# KiCad board AWS PROJECT.kicad_pcb (continued)
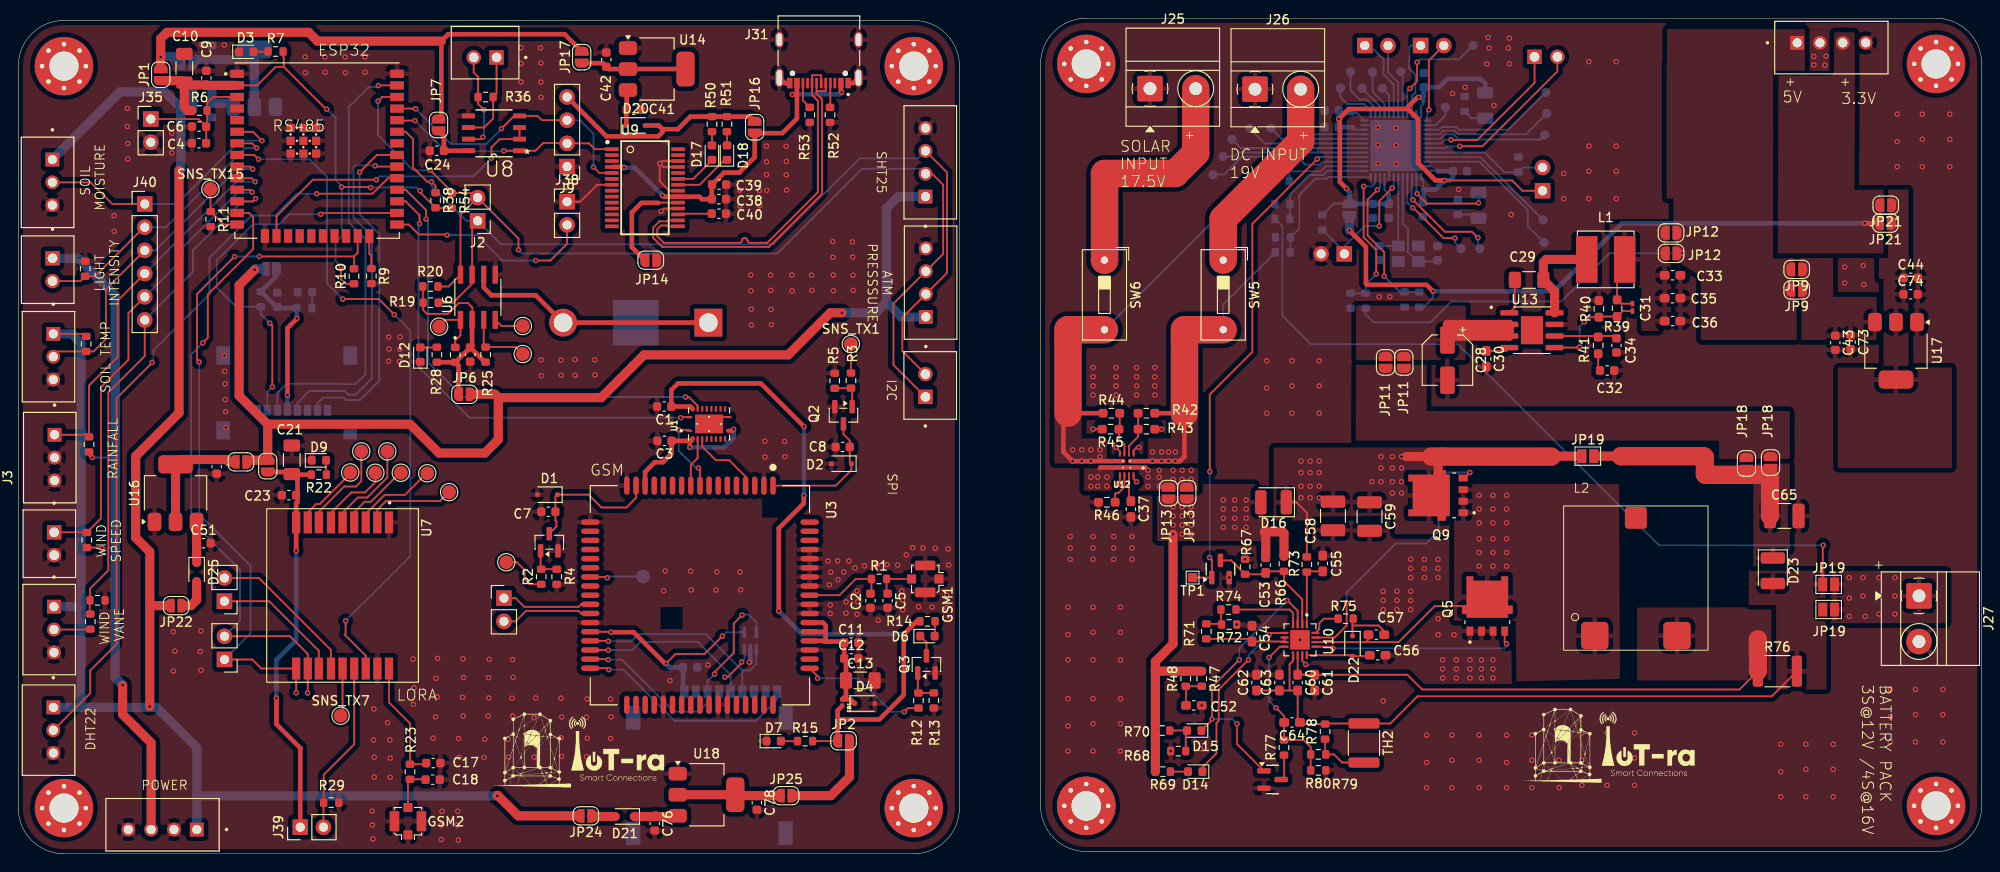
[diagram p0: board, top side]
## Routing (per net, layer and track width the routed paths; a pad name or vN(x,y) marks a point on that pad's centre or on a via; arc(x,y) is an arc through that point) (continued)
  Top w0.5: v1(30.48,58.62) 30.48,58.58 29.46,57.56 v1(29.46,50.23)
  Bottom w0.5: J19.4 29.45,50.22 v1(29.46,50.23) ; JP8.1 28.28,63.28 R34.2 28.21,59.88 C25.1 28.5,59.75 R30.2 30.48,59.75 v1(30.48,58.62)
/gate way/SIM CLK: length 23.8
  Top w0.2: v1(79.16,21.01) 79.16,20.88 77.62,19.34 v1(77.33,19.34) ; v1(64.56,22.3) 64.55,22.31 U3.32
  Bottom w0.2: D5.3 79.47,21.32 v1(79.16,21.01) ; 77.97,19.32 77.94,19.34 v1(77.33,19.34) ; 77.97,19.32 J10.C3 ; 77.97,19.32 77.97,19.58 74.35,23.2 68.07,23.2 67.17,22.3 v1(64.56,22.3)
/gate way/SIM DATA: length 24.4
  Top w0.2: v1(64.58,23.26) 64.53,23.31 U3.31
  Bottom w0.2: 79.23,20.05 79.25,20.07 80.08,20.07 80.77,20.76 D5.1 ; 79.23,20.05 75.24,24.05 67.9,24.05 67.11,23.26 v1(64.58,23.26) ; 79.23,20.05 J10.C7
/gate way/SIM DET: length 24.7
  Top w0.2: v1(64.63,20.16) 64.48,20.31 U3.34
  Bottom w0.2: v1(64.63,20.16) 66.21,20.16 71.81,14.56 80.72,14.56 83.05,16.88 J10.CD
/gate way/SIM RST: length 29.8
  Top w0.2: v1(76.2,19.68) 76.2,19.89 78.3,21.99 78.3,25.22 v1(79.21,26.13) ; U3.33 64.5,21.31 v1(64.56,21.25)
  Bottom w0.2: v1(76.2,19.68) 75.42,18.91 J10.C2 75.42,16.55 74.42,15.55 71.76,15.55 66.06,21.25 v1(64.56,21.25) ; D5.5 80.77,25.35 79.91,26.21 79.29,26.21 v1(79.21,26.13)
/gate way/SIM VDD: length 24.5
  Top w0.2: v1(70.88,20.83) 71.93,21.88 75.11,21.88 v1(77.06,23.83) ; v1(64.86,24.26) 64.81,24.31 U3.30
  Top w0.5: v1(70.88,20.83) 70.78,20.83 67.35,24.26 v1(64.86,24.26)
  Bottom w0.2: D5.4 77.48,24.25 v1(77.06,23.83)
  Bottom w0.5: v1(70.88,20.83) 71.3,20.41 C14.1 72.76,17.88 J10.C1
/gate way/strap2: length 3.7
  Top w0.2: U2.24 38.42,65.72 38.64,65.5 R9.1
/gate way/strap12: length 6
  Top w0.2: SNS_TX15.1 21.03,70.34 R11.1 22.48,68.9 U2.14
/gate way/tx: length 31.1
  Top w0.2: J9.3 57.29,80.33 56.83,80.79 U8.4 54.27,80.79 v1(52.88,79.41) ; v1(62.95,75.19) 63.58,74.55 U9.5 ; v1(43.49,81.58) 43.14,81.58 43.12,81.6 U2.35
  Bottom w0.2: v1(43.49,81.58) 47.36,77.71 51.18,77.71 v1(52.88,79.41) ; J9.3 61.48,80.33 62.95,78.86 v1(62.95,75.19)
/gate way/USBD+: length 38.9
  Top w0.2: J31.A6 87.87,85.21 87.82,85.26 86.92,85.26 86.87,85.21 J31.B6 86.87,83.08 87.28,82.67 87.28,82.66 87.5,82.44 87.5,72.44 81.97,66.91 80.04,66.91 arc(79.87,66.98) 79.8,67.14 79.8,67.19 arc(79.73,67.36) 79.56,67.43 79.44,67.43 arc(79.27,67.36) 79.2,67.19 79.2,67.14 arc(79.13,66.98) 78.96,66.91 70.65,66.91 69.94,67.62 69.94,68.39 70.35,68.8 70.98,68.8 71.08,68.7 U9.15
/gate way/USBD-: length 39.8
  Top w0.2: 88.41,84.43 J31.B7 88.37,83.57 88.32,83.52 87.42,83.52 87.37,83.57 ; U9.16 71.08,69.35 70.98,69.25 70.17,69.25 69.48,68.57 69.48,67.44 70.47,66.45 82.15,66.45 87.95,72.26 87.95,82.65 87.79,82.81 87.79,82.81 87.37,83.23 87.37,83.57 ; 87.37,83.57 J31.A7
/gate way/VH400: length 30.6
  Top w0.2: U2.6 25.69,79.06 v1(26.67,78.08) ; J20.2 7.92,73.52 10.29,71.15 J40.1 13.84,71.86
  Bottom w0.2: v1(26.67,78.08) 24.27,78.08 17.34,71.15 J40.1
/gate way/VSPI-CLK: length 39.2
  Top w0.2: v1(39.05,75.34) 39.14,75.25 U2.30
  Bottom w0.2: J19.5 30.55,49.36 31.86,50.67 35.73,50.67 36.12,50.28 36.93,50.28 38.7,52.05 38.7,67.65 36.69,69.66 36.69,75.12 36.95,75.38 39.01,75.38 v1(39.05,75.34)
/gate way/VSPI-MISO: length 37.4
  Top w0.2: U2.31 39.24,76.52 v1(37.35,74.63)
  Bottom w0.2: J19.7 32.75,49.36 33.33,49.94 35.61,49.94 35.87,49.68 37.4,49.68 39.51,51.79 39.51,67.87 37.35,70.03 v1(37.35,74.63)
/gate way/VSPI-MOSI: length 48.7
  Top w0.2: v1(39.41,84.12) 39.43,84.14 U2.37
  Bottom w0.2: v1(39.41,84.12) 39.25,83.96 38.34,83.96 36.16,81.78 36.16,69.12 37.99,67.29 37.99,52.51 36.91,51.43 35.42,51.43 35.39,51.46 29.33,51.46 28.36,50.48 28.36,48.56
/power board/BATT_INPUT: length 11.9
  Bottom w0.2: U15.13 143.28,74.78 142.82,74.32 141.3,74.32 139.17,72.19 R65.1 139.17,71.14 R64.2
/power board/BATT_VAL: length 153.9
  Top w0.2: R76.2 191.9,17.24 153.13,17.24 150.15,14.27 TH2.1 143.08,14.27 R78.2 140.44,14.2 C64.1 140.02,14.63 C60.2 139.13,17.88 ; C62.1 C63.1 139.13,17.88 ; v1(197.54,33.78) 197.48,33.73 JP19#3.1 ; U10.9 139.52,21.13 139.13,20.74 139.13,17.88
  Bottom w0.2: R64.1 138.35,68.7 138.35,58.91 141.46,55.8 157.54,55.8 179.56,33.78 v1(197.54,33.78)
/power board/BATTERY BMS:
  vias: v1(200.38,30.24) v1(200.38,27.99) v1(200.38,25.99) v1(201.88,30.24) v1(201.88,28.24) v1(202.13,25.99) v1(203.63,30.24) v1(203.63,28.24) v1(203.63,26.24) v1(205.38,30.24) v1(205.38,28.24) v1(205.38,26.24)
/power board/BOOT0_MCU: length 13.7
  Bottom w0.2: U15.44 160.51,76.78 162.65,74.64 R33.2 164.66,75.14 J7.2
/power board/BOOT1_MCU: length 10.7
  Bottom w0.2: U15.20 138.24,78.28 PB9.1
/power board/btst: length 3.5
  Top w0.2: R75.2 142.88,25.74 142.38,25.24 142.38,24.6 U10.16
/power board/CE: length 58.2
  Top w0.2: v1(130.4,41.84) 130.4,50.29 135.06,54.95 135.06,68.97 v1(142.17,76.08) ; TP1.1 Q4.1 130.62,32.19 v1(130.38,32.43)
  Bottom w0.2: v1(130.38,32.43) 130.4,32.45 v1(130.4,41.84) ; v1(142.17,76.08) 142.37,76.28 U15.16
/power board/cin: length 12.2
  Bottom w0.2: C45.2 155.18,64.85 Y1.1 153.13,64.85 152.1,65.88 152.1,68.44 151.52,69.02 U15.5
/power board/cout: length 9.7
  Bottom w0.2: C46.2 148.96,66.55 Y1.3 151.03,70.81 151.03,70.81 151.03,72.45 151.02,72.46 U15.6
/power board/DC JACK INPUT: length 38.3
  Top w0.5: R42.1 127.63,48.24 127.63,43.49 127.13,42.99 v1(126.63,42.99) v1(125.88,42.99) v1(125.13,42.99) v1(124.13,42.99) U12.2_1
  Top w3: SW5.2 127.63,57.39 127.63,48.24
  Bottom w0.2: SW5.2 131.87,60.16 R59.1
  vias: v1(124.13,43.99) v1(125.13,43.99) v1(125.88,43.99) v1(126.63,43.99)
/power board/DC_INPUT: length 15.3
  Bottom w0.2: R59.2 139.21,67.48 R60.1 140.21,68.47 140.21,72.16 141.97,73.92 143.22,73.92 143.4,74.1 U15.12
/power board/FB: length 11.5
  Top w0.2: C31.2 175.57,59.42 R39.2 173.06,58.83 R40.1 171.89,58.75 v1(171.38,58.24) ; v1(170.88,55.49) 170.63,55.49 170.56,55.42 U13.5
  Bottom w0.2: v1(170.88,55.49) 170.88,57.74 v1(171.38,58.24)
/power board/hidriv: length 31
  Top w0.2: U10.15 144.06,23.67 145.38,24.99 v1(145.38,27.49) ; v1(158.86,41.76) 158.25,41.14 Q9.4
  Bottom w0.2: v1(158.86,41.76) 155.99,41.76 155.44,41.2 155.44,35.31 154.11,33.98 150.75,33.98 145.38,28.62 v1(145.38,27.49)
/power board/lodriv: length 22.8
  Top w0.2: v1(162.88,22.99) 162.68,23.19 Q5.4 ; U10.13 143.69,22.67 v1(143.88,22.49)
  Bottom w0.2: v1(143.88,22.49) 162.63,22.49 162.88,22.74 v1(162.88,22.99)
/power board/MCU_SCL: length 17.4
  Top w0.2: v1(156.81,78.18) 156.85,78.14 159.67,78.14 165.94,84.42 J4.1
  Bottom w0.2: U15.42 155.7,77.78 156.1,78.18 v1(156.81,78.18)
/power board/MCU_SDA: length 19.3
  Top w0.2: J4.2 168.44,85.68 160.24,77.47 v1(157.76,77.47)
  Bottom w0.2: U15.43 156.24,77.28 156.43,77.47 v1(157.76,77.47)
/power board/mpptset: length 14.4
  Top w0.2: Q4.3 132.75,32.12 R67.2 135.99,30.6 136.14,30.75 C53.2 136.69,30.92 R66.1 138.52,29.85 140.52,27.85 U10.2
/power board/MUXOUT: length 42.1
  Top w0.2: C53.1 136.52,34.6 136.38,34.74 ; 135.73,38.74 D16.2
  Top w1: C53.1 136.52,35.1 136.38,35.24 138.38,35.24 138.52,35.1 138.52,32.57 ; v1(126.38,34.99) 126.38,22.99 124.44,21.05 124.44,19.99 ; 124.44,19.99 R48.2 R47.2 ; 124.44,19.99 R69.2
  vias: v1(126.38,37.99) v1(126.38,36.99) v1(126.38,35.99) v1(127.38,37.99) v1(127.38,36.99) v1(127.38,35.99) v1(127.38,34.99) v1(128.38,37.99) v1(128.38,36.99) v1(128.38,35.99) v1(128.38,34.99) v1(131.88,38.74) v1(131.88,37.74) v1(131.88,36.74) v1(131.88,35.74) v1(133.13,38.74) v1(133.13,37.74) v1(133.13,36.74) v1(133.13,35.74) v1(134.38,38.74) v1(134.38,37.74) v1(134.38,36.74) v1(134.38,35.74)
/power board/OV1: length 4.7
  Top w0.2: R44.2 120.54,46.58 R45.1 120.45,45.41 121.05,44.81 U12.5
/power board/OV2: length 4.9
  Top w0.2: U12.4 121.55,44.66 122.55,45.66 R43.1 R42.2
/power board/ph: length 21.4
  Top w0.2: 147.45,23.17 151.06,23.17 155.01,27.12 Q5.5_6 ; 147.45,23.17 147.77,23.49 C56.2 ; 147.45,23.17 U10.14
  vias: v1(159.88,39.24) v1(159.88,37.74) v1(159.88,36.24) v1(159.88,34.49) v1(159.88,32.99) v1(159.88,31.49) v1(161.38,39.24) v1(161.38,37.74) v1(161.38,36.24) v1(161.38,34.49) v1(161.38,32.99) v1(161.38,31.49) v1(162.88,39.24) v1(162.88,37.74) v1(162.88,36.24) v1(162.88,34.49) v1(162.88,32.99) v1(162.88,31.49)
/power board/regn: length 7
  Top w0.2: C57.1 147.81,21.64 D22.2 145.78,21.64 145.68,21.74 U10.12
/power board/RST_MCU: length 14.9
  Top w0.2: v1(148.95,68.74) 148.95,71.47 v1(150.37,72.89)
  Bottom w0.2: 145.12,65.93 145.12,66.49 147.38,68.74 v1(148.95,68.74) ; 145.12,65.93 142.74,68.31 R32.1 ; 145.12,65.93 J8.1 ; U15.7 150.52,73.05 v1(150.37,72.89)
/power board/SOLAR INPUT: length 53.7
  Top w0.5: R44.1 114.88,48.24 114.38,47.74 114.38,43.99 v1(115.38,42.99) v1(116.38,42.99) v1(117.38,42.99) U12.7_1
  Top w3: SW6.2 114.88,57.39 114.88,48.24
  Bottom w0.2: R81.1 135.11,73.67 132.4,70.96 132.4,70.92 SW6.2
  vias: v1(115.38,44.24) v1(116.38,44.24) v1(117.38,44.24) v1(118.38,44.24) v1(118.38,43.49)
/power board/SOLAR_INPUT: length 10.6
  Bottom w0.2: R81.2 139.11,73.68 R82.1 139.11,74.82 139.21,74.72 142.55,74.72 143.11,75.28 U15.14
/power board/srp: length 57.5
  Top w0.2: R76.1 188.38,17.99 153.63,17.99 152.02,19.6 C61.1 C60.1 U10.10
  Top w2: R76.1 190.38,23.49
/power board/stat1: length 19.8
  Top w0.2: v1(134.63,21.24) 131.38,17.99 131.38,14.57 131.13,14.32 131.13,11 129.59,9.46 D14.1 ; v1(136.88,23.99) 137.06,24.17 U10.5
  Bottom w0.2: v1(136.88,23.99) 134.63,21.74 v1(134.63,21.24)
/power board/stat2: length 30.6
  Top w0.2: U10.3 140.02,26.6 v1(138.88,27.74) ; v1(133.38,14.24) 133.38,12.02 Q12.1 ; D15.1 130.63,14.64 130.63,18.24 v1(133.63,21.24)
  Bottom w0.2: v1(133.63,21.24) 133.63,22.49 v1(138.88,27.74) ; v1(130.63,14.74) 132.88,14.74 v1(133.38,14.24)
/power board/SW_AP: length 10.9
  Top w1: 171.65,65.08 167.22,65.08 166.9,64.76 C29.1 168.13,61.6 U13.8
/power board/ts: length 7.7
  Top w0.2: R74.2 139.13,26.74 139.52,26.35 U10.4
/power board/vfb: length 17.8
  Top w0.2: v1(136.88,21.49) 138.06,22.67 U10.8 ; R80.2 R79.1 141.44,11.68 140.63,12.49 140.59,12.45 R77.2 138.52,14.35 C64.2 138.54,15.08 v1(137.63,15.99)
  Bottom w0.2: v1(136.88,21.49) 136.88,16.74 v1(137.63,15.99)
/power board/vref: length 9.2
  Top w0.2: R71.2 134.73,23.53 C54.1 138.52,23.24 U10.7 U10.6
Net-(C5-Pad1): length 4.4
  Top w0.2: C5.1 95.02,28.6 R1.2 GSM1.1
Net-(C11-Pad1): length 17.3
  Top w0.5: 88.48,23.24 88.36,23.36 88.36,24.3 ; 88.48,23.24 88.49,23.23 90.27,23.23 90.39,23.12 90.39,21.39 C12.1 90.59,21.19 C13.1 90.59,17.32 90.18,16.91 91.07,16.91 D4.1 ; 88.48,23.24 88.24,23.24 88.17,23.31 U3.55 ; U3.56 86.61,24.3 88.36,24.3 ; 88.36,24.3 88.36,25.01 88.06,25.31 U3.57
Net-(C18-Pad1): length 4.9
  Top w0.2: GSM2.1 42.64,7.93 R23.2 44.53,8.16 C18.1
Net-(C32-Pad1): length 1.9
  Top w0.2: R41.1 172.9,53.12 C32.1
Net-(C52-Pad1): length 3.9
  Top w0.2: C52.1 127.79,18.31 R48.1 R47.1
Net-(C56-Pad1): length 6
  Top w0.2: C56.1 149.49,24.38 148.88,24.99 146.02,24.99 ; D22.1 146.02,24.99 ; 146.02,24.99 146.02,25.66 R75.1
Net-(D3-A): length 1.6
  Top w0.2: D3.2 27.3,87.82 R7.1
Net-(D6-A): length 1.6
  Top w0.2: D6.2 100.33,23.88 R14.1
Net-(D6-K): length 2.4
  Top w0.2: Q3.3 99.39,23.16 D6.1
Net-(D7-A): length 1.8
  Top w0.2: R15.1 83.47,12.33 D7.2
Net-(D9-A): length 1.6
  Top w0.2: D9.2 33.69,41.54 R22.1
Net-(D10-K): length 2.5
  Bottom w0.2: R31.2 159.02,80.54 D10.1
Net-(D12-A): length 1.8
  Top w0.2: R28.1 45.78,55.44 D12.2
Net-(D13-A): length 1.8
  Bottom w0.2: D13.2 32.16,59.79 R30.1
Net-(D14-A): length 1.9
  Top w0.2: R69.1 D14.2
Net-(D15-A): length 4.2
  Top w0.2: R68.2 127.77,13.35 D15.2 R70.1
Net-(D16-K): length 58
  Top w0.2: D16.1 139.88,38.49 141.02,37.35 R73.2
  Top w1: Q9.5_6 155.38,42.99 155.88,43.49 151.88,43.49 ; 175.39,43.54 JP19#2.2 ; JP19#2.1 167.86,43.54
  Top w2: 154.63,43.49 167.81,43.49 ; C65.1 191.7,41.16 191.38,41.49 184.65,41.49 184.59,41.55 184.59,43.41 184.47,43.53 175.4,43.53 175.39,43.54
  vias: v1(140.38,42.99) v1(140.38,41.74) v1(140.38,40.24) v1(140.38,38.99) v1(141.38,42.99) v1(141.38,41.74) v1(141.38,40.24) v1(141.38,38.99) v1(142.38,42.99) v1(142.38,41.74) v1(142.38,40.24) v1(142.38,38.99) v1(148.13,40.74) v1(149.13,43.49) v1(149.13,42.24) v1(149.13,40.74) v1(150.38,43.49) v1(150.38,42.24) v1(150.38,40.74) v1(150.38,39.49) v1(151.38,43.49) v1(151.38,42.24) v1(151.38,40.74) v1(151.38,39.49)
Net-(D17-A): length 1.5
  Top w0.2: D17.2 75.92,77.58 R50.1
Net-(D17-K): length 4.6
  Top w0.2: U9.23 73.88,73.91 75.91,75.94 D17.1
Net-(D18-A): length 1.5
  Top w0.2: R51.1 D18.2
Net-(D18-K): length 6.5
  Top w0.2: U9.22 74.56,73.25 77.3,75.99 D18.1
Net-(D19-A): length 10.2
  Top w0.2: v1(159.81,71.26) 159.74,71.19 154.17,71.19 v1(153.08,72.28)
  Bottom w0.2: U15.2 153.02,72.34 v1(153.08,72.28) ; v1(159.81,71.26) D19.2
Net-(D19-K): length 2.4
  Bottom w0.2: R37.2 159.41,69.99 D19.1
Net-(D20-K): length 4
  Top w0.5: U14.3 66.58,83.5 C41.1 66.54,81.44 D20.1 ; 66.72,81.4 66.78,81.34
Net-(D21-A): length 2.6
  Top w1: D21.2 62.84,4.08 JP24.1
Net-(D21-K): length 4.9
  Top w1: 69.72,4.16 C76.1 ; U18.3 72.09,4.08 D21.1
Net-(D24-A): length 2.5
  Bottom w1: D24.2 19.09,84.08 JP10.1
Net-(D24-K): length 4.5
  Bottom w1: D24.1 21.19,84.08 C47.1 23.14,82.18 U11.3
Net-(D25-A): length 3.9
  Top w1: JP22.1 18.89,27.17 19.52,27.8 D25.2
Net-(D25-K): length 4.5
  Top w1: D25.1 19.52,33.99 C51.1 19.5,36.33 U16.3
Net-(J5-Pin_1): length 9.7
  Bottom w0.2: 147.02,88.51 147.53,88.51 ; J5.1 147.93,88.5 149.41,87.02 149.41,85.35 150.52,84.24 U15.30
Net-(J5-Pin_2): length 8
  Bottom w0.2: J5.2 149.9,85.56 151.02,84.44 151.02,83.64 151.02,83.64 151.02,81.71 151.02,81.7 U15.31
Net-(J6-Pin_1): length 9.1
  Bottom w0.2: J6.1 152.42,88.5 152.23,88.31 152.23,85.98 152.9,85.31 152.9,83.35 152.52,82.98 U15.34
Net-(J6-Pin_2): length 9
  Top w0.2: J6.2 154.38,86.87 v1(154.38,81.46)
  Bottom w0.2: v1(154.38,81.46) 154.21,81.29 U15.37
Net-(J13-Pin_1): length 14.5
  Top w0.2: J13.1 27.45,27.66 32.89,22.22 U7.12
Net-(J13-Pin_2): length 17
  Top w0.2: 22.56,30.19 26.34,30.19 34.22,22.31 U7.13
Net-(J25-Pin_2): length 27.4
  Top w3: J25.2 128.86,76.74 126.6,74.49 118.88,74.49 118.88,65.01 SW6.1
Net-(J26-Pin_2): length 22.2
  Top w3: SW5.1 131.87,69.52 140.35,77.99 J26.2
Net-(J31-CC1): length 2.7
  Top w0.2: 88.84,81.73 88.87,81.76 J31.A5
Net-(J31-CC2): length 3
  Top w0.2: J31.B5 85.87,82.48 86.62,81.73
Net-(J35-Pin_1): length 14.4
  Top w0.2: C6.1 20.66,79.72 R6.2 20.66,82.2 21.32,82.87 U2.3 ; C6.1 19.73,80.45 J35.1 ; C6.1 20.56,77.82 C4.2
Net-(J37-Pad2): length 4
  Top w0.2: 3.91,24.55 7.84,24.55 R62.1
Net-(J38-Pin_2): length 23.1
  Top w0.2: v1(46.93,67.74) 46.86,67.81 43.84,67.81 42.75,68.9 U2.25 ; v1(56.63,64.96) 58.22,64.96 60.06,66.8 J38.2
  Bottom w0.2: v1(56.63,64.96) 52.99,64.96 50.21,67.74 v1(46.93,67.74)
Net-(JP11-A): length 24.4
  Top w1: 163.18,57.34 U13.2 156.42,57.96 156.4,57.95 C28.1 ; 163.18,57.34 157.49,57.34 C28.1 ; 163.18,57.34 U13.3 156.84,56.69 C28.1 ; C28.1 156.4,56.77
Net-(JP12-A): length 6.6
  Top w0.2: L1.2 174.98,64.25 R39.1 175.4,60.24 C31.1
Net-(JP13-A): length 5.1
  Top w0.5: U12.8 118.43,42.29 118.38,42.24 ; v1(123.63,41.99) 123.33,42.29 U12.8_1
  vias: v1(117.38,41.24) v1(117.38,40.24) v1(118.13,41.24) v1(118.13,40.24) v1(119.13,41.24) v1(119.13,40.24) v1(123.63,41.24) v1(123.63,40.24) v1(124.88,41.99) v1(124.88,41.24) v1(124.88,40.24) v1(126.38,41.99) v1(126.38,40.99) v1(127.38,41.99) v1(127.38,40.99) v1(128.38,41.99) v1(128.38,40.99)
Net-(JP14-A): length 11.3
  Top w0.2: 70.07,71.27 70.11,71.3 U9.19
  Top w0.5: JP14.1 67.15,66.42 67.15,70.22 68.2,71.27 70.07,71.27
Net-(JP15-A): length 13.8
  Bottom w1: U11.2 U11.2 25.84,87.93 24.86,86.95 19.48,86.95 JP15.1
Net-(JP17-A): length 11.6
  Top w0.5: JP17.1 63.96,86.58 C42.1 64.61,85.93 U14.2 U14.2
Net-(JP23-A): length 13.1
  Top w1: JP23.1 23.07,42.91 22.81,43.17 C67.1 17.74,43.17 U16.2 U16.2
Net-(JP25-A): length 11.3
  Top w1: U18.2 U18.2 78.57,6.36 C78.1 80.83,6.36 JP25.1
Net-(Q1-B): length 3.7
  Top w0.2: R4.2 R2.2 57.16,31.22 Q1.1
Net-(Q2-B): length 3.9
  Top w0.2: R5.2 89.38,50.99 R3.2 91.26,50.86 Q2.1
Net-(Q3-B): length 3.9
  Top w0.2: Q3.1 98.44,17.67 R12.2 98.52,17.61 R13.2
Net-(Q12-D): length 2.8
  Top w0.2: Q12.3 138.52,8.44 R77.1
Net-(R71-Pad1): length 3.3
  Top w0.2: 131.62,25.18 R72.2 ; 131.62,25.18 R74.1 ; 131.62,25.18 R71.1
Net-(R78-Pad1): length 6.2
  Top w0.2: TH2.2 144.88,9.99 143.99,10.88 R79.2 143.02,10.95 R78.1
Net-(U3-USB_VBUS): length 5.9
  Top w0.2: v1(64.46,30.22) 64.37,30.31 U3.24
  Bottom w0.2: SNS_TX14.1 64.59,30.35 v1(64.46,30.22)
Net-(U6-VBAT): length 27.6
  Top w0.5: U6.6 50.94,62.02 51.79,61.16 56.62,61.16 BT1.1_1 BT1.1
Net-(U7-IO4): length 10.4
  Top w0.2: U7.5 35.49,37.34 37.16,39.01 38.19,39.01 40.39,41.21 SNS_TX3.1
Net-(U7-IO5): length 8.3
  Top w0.2: SNS_TX2.1 39.08,40.7 37.95,39.57 36.45,39.57 34.22,37.34 U7.6
Net-(U7-IO8): length 10
  Top w0.2: U7.2 39.3,37.68 40.25,38.63 46.18,38.63 SNS_TX6.1
Net-(U7-IO9): length 8
  Top w0.2: U7.4 36.76,37.4 37.9,38.54 38.58,38.54 41.76,41.72 SNS_TX4.1
Net-(U7-IO11): length 9.5
  Top w0.2: U7.3 38.03,37.23 40.1,39.3 42.31,39.3 44.67,41.66 SNS_TX5.1 44.77,41.67
Net-(U7-IO14): length 5.3
  Top w0.2: U7.14 35.49,15.33 SNS_TX7.1
Net-(U7-SWC/IO7): length 10.5
  Top w0.2: U7.7 32.89,37.44 35.67,40.22 36.96,40.22 37.54,40.8 SNS_TX11.1
Net-(U7-SWD/IO6): length 7.6
  Top w0.2: SNS_TX12.1 36.33,41.63 32.99,38.29 32.6,38.29 31.68,37.37 U7.8
Net-(U8-A): length 10
  Top w0.2: U8.6 50.97,79.52 50.97,79.52 51.97,80.52 R36.2 52.34,83.24 J24.1
Net-(U8-B): length 10.9
  Top w0.2: v1(50.84,78.47) 50.62,78.25 U8.7 ; J24.2 49.84,85.55 50.32,85.07 R36.1 50.32,82.11 v1(50.96,81.47)
  Bottom w0.2: v1(50.84,78.47) 50.96,78.59 v1(50.96,81.47)
Net-(U9-3V3OUT): length 3.7
  Top w0.2: U9.17 72.29,70.09 C40.1
Net-(U10-VCC): length 7.5
  Top w0.2: C55.1 141.09,30.92 R73.1 U10.1
Net-(U12-ILIM): length 3.6
  Top w0.2: R46.1 120.04,39.4 120.13,39.49 120.38,39.49 121.05,40.16 U12.10
Net-(U12-SS): length 3
  Top w0.2: C37.1 121.55,38.81 U12.11
Net-(U13-BST): length 3.8
  Top w0.2: C29.2 163.78,59.83 U13.1
Net-(U13-COMP): length 6.9
  Top w0.2: C34.1 174.65,56.69 U13.6
Net-(U13-SS): length 2.7
  Top w0.2: U13.4 162.81,55.05 C30.1
Net-(U15-PA5): length 17.9
  Bottom w0.2: PB3.1 131.96,74.37 133.92,76.33 140,76.33 140.87,75.46 142.46,75.46 142.78,75.78 U15.15
Net-(U15-PA7): length 15.7
  Bottom w0.2: PB1.1 133.11,76.36 133.53,76.78 U15.17
Net-(U15-PA8): length 3.1
  Bottom w0.2: U15.29 150.02,83.09 PB2.1
Net-(U15-PA11): length 4.8
  Bottom w0.2: PB4.1 151.52,85.44 U15.32
Net-(U15-PA12): length 13
  Top w0.2: v1(152.3,83.79) 153.09,84.58 v1(153.09,86.66)
  Bottom w0.2: v1(152.3,83.79) 152.02,83.52 U15.33 ; v1(153.09,86.66) 153.42,86.99 157.69,86.99 PB5.1
Net-(U15-PA15/JTDI): length 3.3
  Bottom w0.2: PB8.1 156.21,80.87 155.12,79.78 U15.38
Net-(U15-PB0): length 14.9
  Bottom w0.2: PB21.1 133.78,77.28 U15.18
Net-(U15-PB1): length 13.3
  Bottom w0.2: PB22.1 136.43,77.78 U15.19
Net-(U15-PB3/JTDO-SWO): length 14.9
  Bottom w0.2: U15.39 155.5,79.28 155.8,79.58 157.39,79.58 157.69,79.28 163.08,79.28 PB20.1
Net-(U15-PB4/~{JTRST}): length 14.3
  Bottom w0.2: U15.40 155.56,78.78 155.96,79.18 157.22,79.18 157.62,78.78 165.01,78.78 PB19.1
Net-(U15-PB5): length 13.5
  Bottom w0.2: PB18.1 166.58,78.2 157.63,78.2 157.05,78.78 156.13,78.78 155.63,78.28 U15.41
Net-(U15-PB8): length 15.5
  Bottom w0.2: U15.45 160.01,76.28 PB11.1
Net-(U15-PB9): length 17.5
  Bottom w0.2: U15.46 159.9,75.78 165.19,70.49 165.19,68.72 PB12.1
Net-(U15-PB10): length 8
  Bottom w0.2: U15.21 140.17,78.78 PB13.1
Net-(U15-PB12): length 5.3
  Bottom w0.2: PB14.1 144.69,82.84 145.44,82.09 147.28,82.09 148.02,81.35 U15.25
Net-(U15-PB13): length 6.2
  Bottom w0.2: PB15.1 145.81,83.58 146.79,82.6 147.55,82.6 148.52,81.64 U15.26
Net-(U15-PB14): length 3.7
  Bottom w0.2: PB16.1 149.02,81.85 U15.27
Net-(U15-PB15): length 5.2
  Bottom w0.2: U15.28 149.52,82.12 148.21,83.43 PB17.1
Net-(U15-PC14-OSC32_IN): length 12.7
  Top w0.2: v1(159.75,67.46) 159.1,68.11 156.14,68.11 152.65,71.6 v1(152.63,71.6)
  Bottom w0.2: PB7.1 159.75,66.44 v1(159.75,67.46) ; U15.3 152.53,74.09 152.53,72.69 152.48,72.64 152.48,71.75 v1(152.63,71.6)
Net-(U15-PC15-OSC32_OUT): length 11
  Top w0.2: v1(152.61,70.74) 152.66,70.74 155.99,67.41 v1(157.24,67.41)
  Bottom w0.2: U15.4 152.02,71.33 v1(152.61,70.74) ; PB6.1 157.24,66.91 v1(157.24,67.41)

## Copper pours and planes (outline as drawn; the poured copper is in the pictures)
+3.3V on Top: 198.46,85.3 192.64,85.22 192.63,81.83 201.01,81.91 201,89.95 198.46,89.95
+3.3V on Top: 204.13,65.74 204.13,72.74 200.95,72.68 201.02,82.54 192.63,82.59 192.56,65.73
+5V on Top: 195.86,90.29 180.43,90.3 180.44,85.73 195.87,85.73
+5V on Top: 192.05,65.16 194.63,65.24 194.63,56.24 184.13,56.24 184.13,63.24 181.13,65.15 181.13,71.74 180.38,71.74 180.38,86.74 192.05,86.66
GND on Top: 196.05,85.72 196.04,90.24 198.22,90.23 198.22,85.73
GND on Top, Bottom: -14.47,110.34 107.77,111.59 108.71,-29.1 -16.29,-31.35
GND on Top, Bottom: 110.58,92.4 216.38,93.43 216.38,-0.71 110.79,-1.95
/power board/BATT_VAL on Top: 192.38,17.99 192.38,27.24 189.38,27.24 189.38,30.99 197.88,30.99 197.88,17.99
/power board/BATTERY BMS on Top: 198.3,25.24 211.05,25.24 211.05,30.99 198.3,30.99
/power board/BATTERY BMS on Bottom: 198.38,30.99 198.38,25.24 210.88,25.24 210.88,30.99
/power board/DC JACK INPUT on Top: 121.63,42.74 129.13,42.74 129.13,47.99 126.13,47.99 126.13,45.49 123.63,45.49 123.63,43.24 121.63,43.24
/power board/DC JACK INPUT on Bottom: 121.38,42.74 129.13,42.74 129.13,45.24 123.38,45.24 123.38,43.99 121.38,43.99
/power board/MUXOUT on Top: 124.63,39.39 124.63,34.24 136.88,34.24 136.88,40.49 129.38,40.49 129.38,39.39
/power board/MUXOUT on Bottom: 124.63,39.24 136.88,39.24 136.88,34.24 124.63,34.24
/power board/ph on Top: 157.13,40.49 157.13,25.49 163.88,25.49 163.96,18.87 175.29,19.15 175.19,40.48
/power board/ph on Bottom: 157.13,40.49 157.13,25.49 164.13,25.49 164.13,40.49
/power board/SOLAR INPUT on Top: 121.13,42.74 113.38,42.74 113.38,47.99 116.38,47.99 116.38,45.49 119.13,45.49 119.13,43.24 121.13,43.24
/power board/SOLAR INPUT on Bottom: 121.13,42.74 121.13,43.99 119.13,43.99 119.13,45.49 113.38,45.49 113.38,42.74
/power board/srp on Top: 191.88,18.99 177.16,18.96 177.16,26.96 191.88,26.99
Vbuck on Top: 154.15,53.76 146.4,53.74 146.38,45.24 186.13,45.24 186.13,43.24 193.88,43.24 193.88,48.49 154.13,48.49 154.16,51.55 154.16,52.65
Net-(D16-K) on Top: 137.38,36.49 137.38,44.49 156.63,44.49 156.63,34.99 150.63,34.99 150.63,36.99 141.63,36.93 141.63,36.49
Net-(D16-K) on Top: 193.88,31.24 189.88,31.24 189.88,42.84 193.88,42.84
Net-(D16-K) on Bottom: 137.38,44.49 137.38,36.99 153.6,37.2 153.6,44.7
Net-(JP9-A) on Top: 203.38,60.99 203.38,56.24 194.88,56.24 194.88,65.24 198.63,65.24 198.63,60.99
Net-(JP11-A) on Top: 156.4,54.05 146.4,54.04 146.4,60.02 158.43,60.02 158.42,54.05
Net-(JP12-A) on Top: 174.13,68.99 174.13,61.99 177.63,61.99 177.63,57.24 180.88,57.24 180.88,68.99
Net-(JP13-A) on Top: 116.63,42.49 116.63,39.74 119.88,39.74 119.88,41.99 122.63,41.99 122.63,39.74 129.13,39.74 129.13,42.49
Net-(JP13-A) on Bottom: 116.63,42.49 129.13,42.49 129.13,39.74 123.13,39.74 123.13,41.24 119.88,41.24 119.88,39.74 116.63,39.74
Net-(JP21-A) on Top: 211.63,42.24 199.13,42.24 199.13,53.24 204.13,53.24 204.13,62.94 203.63,62.94 203.63,65.24 204.63,65.24 204.63,72.74 206.88,72.74 206.88,53.24 211.63,53.24

## Text on the board
B.Silkscreen: G | 3V | 5V | SD CARD | www.ademnea.net | www.iot-ra.net | AWS Gen4 V1, 2025 | GATE WAY BOARD | POWER BOARD
F.Silkscreen: POWER | + | SOIL TEMP | RAINFALL | DHT22 | SOIL / MOISTURE | LIGHT / INTENSITY | WIND / SPEED | WIND / VANE | SHT25 | I2C | SPI | ATM / PRESSSURE | RS485 | ESP32 | LORA | GSM | SOLAR / INPUT / 17.5V | DC INPUT / 19V | 5V | 3.3V | BATTERY PACK / 3S@12V /4S@16V
